# KiCad board MPU_MOD.kicad_pcb (continued)
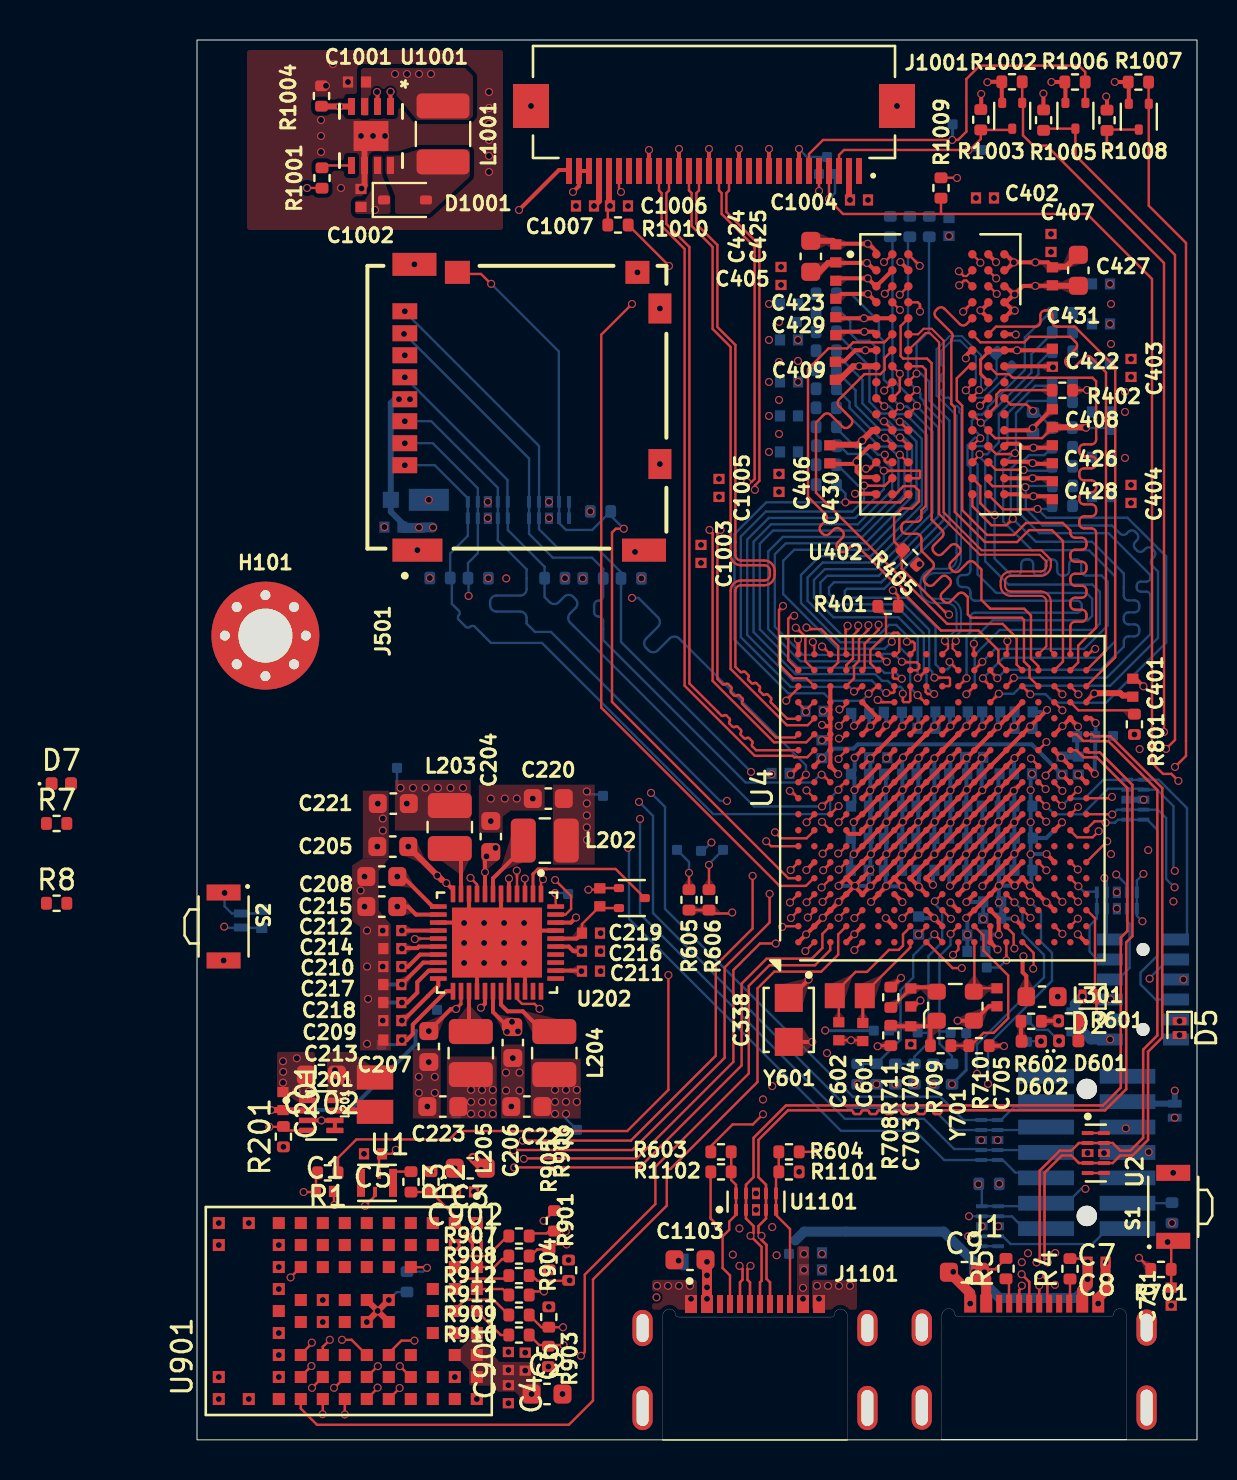
[diagram p0: board, top side]
## Routing (per net, layer and track width the routed paths; a pad name or vN(x,y) marks a point on that pad's centre or on a via; arc(x,y) is an arc through that point) (continued)
DSI_D0_P: length 34.4
  1L.Cu w0.118: U4.B13 30.86,34.49 30.52,34.14 29.86,34.14 29.79,34.21 27.89,34.21 24.38,37.72 24.38,59.56 23.23,60.71 23.23,62.35 23.1,62.48 J1001.21
DSI_D1_N: length 33.7
  1L.Cu w0.118: J1001.17 25.1,62.48 24.97,62.35 24.97,60.81 26.02,59.76 26.02,55.66 26.92,54.76 26.92,44.26 arc(27,44.06) 27.2,43.98 28.36,43.98 arc(28.73,43.83) 28.88,43.46 28.88,43.26 arc(28.73,42.9) 28.36,42.74 27.2,42.74 arc(27,42.66) 26.92,42.46 26.92,38.66 27.17,38.41 arc(27.23,38.39) 27.29,38.41 arc(27.35,38.43) 27.4,38.41 27.57,38.25 arc(27.59,38.19) 27.57,38.13 arc(27.54,38.07) 27.57,38.01 27.73,37.84 arc(27.79,37.82) 27.85,37.84 arc(27.91,37.87) 27.97,37.84 28.13,37.68 arc(28.16,37.62) 28.13,37.56 arc(28.11,37.5) 28.13,37.44 28.3,37.28 arc(28.36,37.25) 28.42,37.28 arc(28.48,37.3) 28.54,37.28 28.7,37.11 arc(28.72,37.06) 28.7,37 arc(28.68,36.94) 28.7,36.88 29.51,36.06 30.04,36.06 U4.A15
DSI_D1_P: length 34.5
  1L.Cu w0.118: U4.B15 30.87,36.08 30.53,35.74 29.5,35.74 26.68,38.56 26.68,42.46 arc(26.83,42.83) 27.2,42.98 28.36,42.98 arc(28.56,43.06) 28.64,43.26 28.64,43.46 arc(28.56,43.66) 28.36,43.74 27.2,43.74 arc(26.83,43.9) 26.68,44.26 26.68,54.66 25.78,55.56 25.78,59.66 24.73,60.71 24.73,62.35 24.6,62.48 J1001.18
ETH1_CRS_DV: length 0.6
  1L.Cu w0.118: v1(42.47,28.49) 42.07,28.89 U4.T6
ETH1_MDC: length 0.5
  1L.Cu w0.118: U4.V2 43.67,25.7 v1(44.04,26.07)
ETH1_REF_CLK: length 0.6
  1L.Cu w0.118: U4.U4 42.89,27.29 v1(43.27,26.91)
  3L.Cu w0.118: v1(43.27,26.91) 43.27,26.87
ETH1_RXD1: length 0.5
  1L.Cu w0.118: v1(44.05,26.92) 43.68,27.29 U4.V4
ETH1_TX_EN: length 0
  1L.Cu w0.118: 43.67,24.85 U4.V1
ETH1_TXD0: length 0.6
  1L.Cu w0.118: U4.U2 42.89,25.69 v1(43.27,25.31)
ETH1_TXD1: length 0.5
  1L.Cu w0.118: U4.T9 42.09,31.29 v1(42.46,30.92)
FDCAN2_RX: length 5.9
  1L.Cu w0.118: v1(44.07,27.69) 43.67,28.09 U4.V5
  8L.Cu w0.118: v1(44.07,27.69) 44.34,27.42 44.96,27.42 U3.1 U3.10 44.99,26.08 44.63,25.72 44.63,24.43 45.03,24.03 J3.10
FDCAN2_TX: length 13.6
  1L.Cu w0.118: v1(41.7,34.08) 42.07,33.71 U4.T12 42.07,33.69
  3L.Cu w0.118: v1(45.37,28.1) 45.36,28.09 41.97,28.09 41.27,28.79 41.27,33.65 v1(41.7,34.08)
  8L.Cu w0.118: J3.12 45.49,25.19 U3.9 U3.2 45.49,27.98 v1(45.37,28.1)
I2C1_SCL: length 54.1
  1L.Cu w0.118: v1(45.51,29.94) 44.47,28.9 U4.W6 ; v1(49.07,32.96) 48.72,33.31 48.3,33.31 47.75,33.86 47.75,58.06 44.5,61.31 37.2,61.31 ; J1001.4 v1(31.6,62.06) 31.6,62.01 32.3,61.31 37.2,61.31 ; 37.2,62.3 37.2,61.31
  3L.Cu w0.118: v1(49.07,32.96) 49.07,32.44 46.57,29.94 v1(45.51,29.94)
  8L.Cu w0.118: v1(31.6,62.06) 31.9,62.36 TP1006.1
I2C1_SDA: length 52
  1L.Cu w0.118: 21.56,60.55 R1010.1 23.53,58.79 23.53,58.78 v1(23.6,58.71) ; U4.B5 30.83,28.09 30.45,27.71 29.13,27.71 20.21,36.63 20.21,55.27 v1(21.75,56.81) ; J1001.5 v1(31.1,62.46)
  3L.Cu w0.118: v1(21.75,56.81) 23.6,58.66 v1(23.6,58.71) 23.65,58.71 27.1,62.16 30.8,62.16 v1(31.1,62.46)
  8L.Cu w0.118: v1(31.1,62.46) TP1004.1
I2S2_CK: length 0.7
  1L.Cu w0.118: 31.64,30.49 U4.C8 31.67,30.49 v1(31.25,30.91)
  3L.Cu w0.118: v1(31.25,30.91) 31.19,30.91
I2S2_SDI: length 0.7
  1L.Cu w0.118: U4.C9 31.67,31.31 ; U4.C9 31.67,31.29 v1(32.08,31.7) ; U4.C9 31.57,31.29
I2S2_WS: length 0.6
  1L.Cu w0.118: v1(32.08,30.89) 32.47,31.28 U4.D9
I2S3_CK: length 42.5
  1L.Cu w0.118: v1(28.46,29.94) 28.71,29.69 U4.A7 ; v1(10.14,3.69) 10.15,3.69 U901.D8
  3L.Cu w0.118: v1(28.46,29.94) 28.04,30.36 25.05,30.36 21.15,26.46 21.15,26.15 20.81,25.81 20.81,16.81 15.68,11.68 15.68,9.99 12.97,7.28 11.73,7.28 8.56,4.11 8.56,3.38 8.79,3.15 9.6,3.15 v1(10.14,3.69)
I2S3_SDI: length 47.7
  1L.Cu w0.118: 30.87,31.31 U4.B9 30.87,31.28 v1(30.48,30.89) ; v1(10.13,2.6) 10.13,2.59 U901.E9
  3L.Cu w0.118: v1(10.13,2.6) 9.64,2.11 8.43,2.11 7.41,3.13 7.41,4.39 7.85,4.83 7.85,5.99 13.22,11.36 14.27,11.36 19.73,16.82 19.73,19.72 18.67,20.78 18.67,25.15 19.5,25.98 19.5,26.41 24.5,31.41 29.96,31.41 v1(30.48,30.89)
I2S3_SDO: length 44.5
  1L.Cu w0.118: 30.83,30.49 U4.B8 30.87,30.48 30.48,30.09 29.2,30.09 v1(28.9,30.39) ; v1(9.03,2.62) 9.03,2.59 U901.F9
  3L.Cu w0.118: v1(28.9,30.39) 28.9,30.41 28.4,30.91 24.9,30.91 20.2,26.21 20.2,26.04 19.7,25.54 19.7,20.78 20.25,20.23 20.25,16.81 15.28,11.84 15.28,10.19 12.89,7.8 11.61,7.8 8.02,4.21 8.02,3.16 8.56,2.62 v1(9.03,2.62)
I2S3_WS: length 40.7
  1L.Cu w0.118: U901.F8 9.03,3.69 v1(9.04,3.69) ; U4.C7 31.65,29.69 v1(31.28,29.32) ; U4.C7 31.67,29.71 ; U4.C7 31.67,29.67
  3L.Cu w0.118: v1(31.28,29.32) 24.92,29.32 21.31,25.71 21.31,16.73 16.18,11.6 16.18,9.69 13.22,6.73 11.98,6.73 9.04,3.79 v1(9.04,3.69)
INTLDO: length 4.1
  1L.Cu w0.118: C219.2 19.25,25.8 R202.1 20.23,26.6 Q201.2
  1L.Cu w0.2: 19.22,25.35 19.22,25.32 18.98,25.07 U202.40
LCD_BL_PWM: length 77.5
  1L.Cu w0.118: U4.V9 43.68,31.29 v1(44.05,31.66) ; v1(5.5,62.61) 6.24,62.61 R1001.2
  3L.Cu w0.15: v1(44.05,31.66) 46.25,31.66 49.05,34.46 49.05,56.11 43.95,61.21 37.85,61.21 35.95,63.11 27,63.11 24.7,60.81 6.9,60.81 5.5,62.21 v1(5.5,62.61)
LCD_RST: length 42.6
  1L.Cu w0.118: R1007.2 47.58,66.83 Q3.1 47.59,61.72 49.45,59.86 49.45,34.21 v1(48.9,33.66) ; v1(45.08,30.44) 44.78,30.14 44,30.14 43.67,30.47 U4.V8
  3L.Cu w0.118: v1(48.9,33.66) 48.5,33.26 48.5,32.43 46.52,30.45 45.09,30.45 v1(45.08,30.44)
LCD_TP_INTR: length 39.9
  1L.Cu w0.118: R1005.1 42.41,65.57 Q2.3 43.92,64.24 48.9,59.26 48.9,35.01 v1(48.45,34.56) ; v1(45.75,32.16) 45.68,32.09 U4.W10
  3L.Cu w0.118: v1(48.45,34.56) 48.4,34.56 46,32.16 v1(45.75,32.16)
LCD_TP_RST: length 42.1
  1L.Cu w0.118: R1002.2 Q1.1 41.3,66.82 41.3,65.24 41.81,64.73 42.48,64.73 48.35,58.86 v1(48.35,35.41) ; v1(44.05,32.51) 43.67,32.13 U4.V10
  3L.Cu w0.118: v1(44.05,32.51) 44.4,32.86 46.05,32.86 48.35,35.16 v1(48.35,35.41)
MOD_ADC9/TIM3_CH3: length 5.9
  1L.Cu w0.118: U4.W3 44.5,26.49 44.9,26.09 44.9,22.25 D2.1 44.97,21.46 v1(45.41,21.02)
NRST: length 29.3
  1L.Cu w0.118: C701.2 48.71,9.86 S1.1 ; v1(38.24,23.6) 37.78,23.6 36.49,24.89 U4.J1
  3L.Cu w0.118: v1(39.07,12.79) 39.07,12.98 38.5,13.55 38.5,23.35 38.25,23.6 v1(38.24,23.6) ; v1(48.53,9.9) 44.39,9.9 43.18,11.11 43.18,11.32 v1(44.42,12.56)
  8L.Cu w0.118: J701.12 42.31,11.69 U703.1 U703.10 39.24,12.62 v1(39.07,12.79) R203.2 ; v1(44.42,12.56) 44.21,12.56 43.61,11.96 43.49,11.96
PMIC_PA0_WKUP_INTR: length 35
  1L.Cu w0.118: v1(17.91,28) 18.7,27.2 18.7,26.55 18.42,26.27 U202.43 ; U4.R3 41.29,26.49 v1(41.67,26.11)
  3L.Cu w0.118: v1(17.91,28) 17.93,27.98
  6L.Cu w0.118: v1(17.91,28) 18.05,28 18.47,27.58 18.47,27.24 17.76,26.53 17.76,23.2 19.05,21.91 32.92,21.91 35.71,24.7 38.81,24.7 39.85,25.74 40.54,25.74 40.75,25.53 41.09,25.53 v1(41.67,26.11)
PMIC_WAKEUP: length 28.7
  1L.Cu w0.118: Q201.1 20.41,27.6 20.33,27.52 v1(19.57,27.52) ; v1(37.7,26.06) 37.27,26.49 U4.K3
  6L.Cu w0.118: v1(19.57,27.52) 19.34,27.52 18.22,26.4 18.22,23.4 19.11,22.51 32.46,22.51 36.44,26.49 37.27,26.49 v1(37.7,26.06)
PWR_ON: length 31.5
  1L.Cu w0.118: v1(37.8,24.26) 38.07,24.53 U4.L1 ; U202.44 17.94,27.32 v1(17.91,27.35)
  1L.Cu w0.15: R708.1 34.06,19.72 v1(34.03,19.69)
  6L.Cu w0.118: v1(17.91,27.35) 17.22,26.67 17.22,23.1 18.89,21.43 34.94,21.43 37.77,24.26 v1(37.8,24.26) ; v1(34.03,19.69) 34,19.72 34,21.43
  8L.Cu w0.118: TP702.1 18.5,27.35 v1(17.91,27.35)
SDMMC1_CK: length 34.3
  1L.Cu w0.118: U4.C10 31.26,31.68 v1(31.25,31.68)
  8L.Cu w0.118: R505.1 17.38,43.66 15.54,45.5 15.54,46.09 15.52,46.11 15.52,48.01 10.4,53.13 10.4,53.15 v1(10.39,53.14) ; R505.1 17.38,42.15 17.64,41.9 arc(17.86,41.81) 18.09,41.9 18.36,42.17 arc(18.58,42.26) 18.81,42.17 18.92,42.06 arc(19.02,41.83) 18.92,41.6 18.65,41.33 arc(18.56,41.11) 18.65,40.88 27.85,31.68 v1(31.25,31.68) ; R505.1 17.43,43.04
  8L.Cu w0.15: 15.53,46.1 15.54,46.09
SDMMC1_CMD: length 35
  1L.Cu w0.118: v1(30.47,32.48) 30.87,32.09
  3L.Cu w0.118: v1(30.47,32.48) 30.47,32.38 30.05,31.96 v1(26.5,31.96)
  8L.Cu w0.118: v1(26.5,31.96) 26.15,31.96 17.7,40.41 16.9,40.41 16.48,40.83 16.48,41.11 arc(16.39,41.34) 16.16,41.43 14.98,41.43 arc(14.75,41.52) 14.66,41.75 14.66,41.91 arc(14.75,42.14) 14.98,42.23 16.16,42.23 arc(16.39,42.32) 16.48,42.55 16.48,43.54 15.04,44.98 U502.4 15.04,47.62 11.72,50.94 v1(10.39,50.94)
SDMMC1_D0: length 35.9
  1L.Cu w0.118: U4.C11 31.66,32.89 31.28,33.27 v1(31.23,33.27)
  8L.Cu w0.118: v1(10.35,55.31) 10.38,55.31 16.6,49.08 16.6,45.31 17.79,44.12 19.75,44.12 20.31,43.56 R506.1 ; R506.1 20.42,42.97 ; R506.1 20.31,42.2 arc(20.24,42.04) 20.08,41.98 arc(19.92,41.91) 19.86,41.75 19.86,41.4 arc(19.92,41.24) 20.08,41.18 arc(20.24,41.11) 20.31,40.95 20.31,40 27.43,32.88 30.77,32.88 31.16,33.27 v1(31.23,33.27)
SDMMC1_D1: length 34.8
  1L.Cu w0.118: U4.A10 29.7,32.46 v1(29.64,32.46)
  3L.Cu w0.118: v1(29.64,32.46) 28.65,32.46 v1(27.7,33.41)
  8L.Cu w0.118: R507.1 21.2,39.91 v1(27.7,33.41) ; R507.1 21.2,42.55 ; R507.1 21.2,43.39 19.95,44.64 18,44.64 17.1,45.54 17.1,49.71 10.39,56.42 v1(10.39,56.44)
  8L.Cu w0.15: 17.09,46.11 17.1,46.09
SDMMC1_D2: length 35.1
  1L.Cu w0.118: v1(32.07,32.51) 32.07,32.57 32.4,32.89 U4.D11 32.46,32.89
  8L.Cu w0.118: v1(32.07,32.51) 31.66,32.1 31.66,31.39 31.57,31.3 25.81,31.3 17.25,39.86 14.7,39.86 13.89,40.67 arc(13.78,40.72) 13.66,40.67 arc(13.55,40.62) 13.43,40.67 13.09,41.01 arc(13.04,41.13) 13.09,41.24 arc(13.14,41.36) 13.09,41.47 12.74,41.82 12.74,43.02 R502.1 12.66,44.33 13.54,45.21 U502.1 13.54,47.09 11.89,48.74 v1(10.39,48.74)
SDMMC1_D3: length 34
  1L.Cu w0.118: U4.A11 30.45,33.27 v1(30.45,33.27)
  3L.Cu w0.118: v1(13.58,42.21) 13.68,42.11 v1(21.75,42.11)
  8L.Cu w0.118: v1(10.39,49.84) 11.79,49.84 14.04,47.59 U502.2 14.04,44.34 13.55,43.85 R503.1 13.58,43.06 v1(13.58,42.21) ; v1(30.45,33.27) 30.45,33.73 24.1,40.08 arc(23.87,40.18) 23.63,40.08 23.04,39.49 arc(22.81,39.39) 22.57,39.49 22.46,39.61 arc(22.36,39.84) 22.46,40.08 23.05,40.67 arc(23.14,40.9) 23.05,41.14 22.08,42.11 v1(21.75,42.11)
SDMMC3_CK: length 32.2
  1L.Cu w0.118: R911.1 16.79,7.43 v1(17.35,7.43) ; 30.07,25.69 U4.A2 29.29,25.69 v1(29.26,25.66)
  3L.Cu w0.118: v1(29.26,25.66) 29.25,25.67 27.71,25.67 27.23,25.19 arc(27.16,25.02) 27.23,24.85 27.63,24.45 arc(27.7,24.28) 27.63,24.11 27.54,24.03 arc(27.37,23.96) 27.2,24.03 26.81,24.43 arc(26.64,24.5) 26.47,24.43 26.38,24.34 arc(26.31,24.17) 26.38,24 26.78,23.61 arc(26.85,23.44) 26.78,23.27 26.69,23.18 arc(26.52,23.11) 26.35,23.18 25.96,23.58 arc(25.79,23.65) 25.62,23.58 25.53,23.49 arc(25.46,23.32) 25.53,23.15 25.93,22.76 arc(26,22.59) 25.93,22.42 25.84,22.33 arc(25.68,22.26) 25.51,22.33 25.11,22.73 arc(24.94,22.8) 24.77,22.73 24.38,22.34 24.38,19.11 25.04,18.45 25.04,14.33 19.3,8.59 19.3,7.89 18.84,7.43 v1(17.35,7.43)
SDMMC3_CMD: length 34.2
  1L.Cu w0.118: R912.1 16.76,8.22 17.02,7.96 18.56,7.96 R901.1 v1(18.63,7.98) ; U4.A3 30.07,26.48 v1(29.69,26.1)
  3L.Cu w0.118: v1(18.63,7.98) 18.95,8.3 18.95,8.98 23.62,13.65 23.62,14.61 arc(23.69,14.78) 23.86,14.85 24.26,14.85 arc(24.43,14.92) 24.5,15.09 24.5,15.21 arc(24.43,15.38) 24.26,15.45 23.86,15.45 arc(23.69,15.52) 23.62,15.69 23.62,15.81 arc(23.69,15.98) 23.86,16.05 24.26,16.05 arc(24.43,16.12) 24.5,16.29 24.5,16.41 arc(24.43,16.58) 24.26,16.65 23.86,16.65 arc(23.69,16.72) 23.62,16.89 23.62,17.01 arc(23.69,17.18) 23.86,17.25 24.26,17.25 arc(24.43,17.32) 24.5,17.49 24.5,17.61 arc(24.43,17.78) 24.26,17.85 23.86,17.85 arc(23.69,17.92) 23.62,18.09 23.62,22.47 24.36,23.21 arc(24.44,23.39) 24.36,23.57 24.17,23.76 arc(24.1,23.93) 24.17,24.11 24.26,24.2 arc(24.44,24.27) 24.62,24.2 24.81,24.01 arc(24.98,23.94) 25.16,24.01 25.25,24.1 arc(25.33,24.28) 25.25,24.46 25.06,24.65 arc(24.99,24.82) 25.06,25 25.15,25.09 arc(25.33,25.17) 25.51,25.09 25.7,24.9 arc(25.88,24.83) 26.05,24.9 26.14,24.99 arc(26.22,25.17) 26.14,25.35 25.96,25.54 arc(25.88,25.72) 25.96,25.89 26.04,25.98 arc(26.22,26.06) 26.4,25.98 26.59,25.79 arc(26.77,25.72) 26.94,25.79 27.25,26.1 v1(29.69,26.1)
SDMMC3_D0: length 32.3
  1L.Cu w0.118: R907.1 16.74,10.33 17.48,10.33 17.59,10.44 18.43,10.44 v1(18.44,10.43) ; U4.A4 30.06,27.29 v1(29.65,26.88)
  3L.Cu w0.118: v1(29.65,26.88) 25.9,26.88 22.95,23.93 22.95,15.17 22.72,14.94 arc(22.65,14.77) 22.72,14.6 22.99,14.33 arc(23.06,14.16) 22.99,13.99 22.9,13.91 arc(22.73,13.84) 22.56,13.91 22.3,14.18 arc(22.13,14.25) 21.96,14.18 21.87,14.09 arc(21.8,13.92) 21.87,13.75 22.14,13.49 arc(22.21,13.32) 22.14,13.15 22.05,13.06 arc(21.88,12.99) 21.71,13.06 21.45,13.33 arc(21.28,13.4) 21.11,13.33 21.02,13.24 arc(20.95,13.07) 21.02,12.9 21.29,12.64 arc(21.36,12.47) 21.29,12.3 21.2,12.21 arc(21.03,12.14) 20.87,12.21 20.6,12.48 arc(20.43,12.55) 20.26,12.48 20.17,12.39 arc(20.1,12.22) 20.17,12.05 20.44,11.79 arc(20.51,11.62) 20.44,11.45 20.36,11.36 arc(20.19,11.29) 20.02,11.36 19.75,11.63 arc(19.58,11.7) 19.41,11.63 19.33,11.55 arc(19.26,11.38) 19.33,11.21 19.59,10.94 arc(19.66,10.77) 19.59,10.6 19.51,10.52 arc(19.34,10.45) 19.17,10.52 18.9,10.78 arc(18.73,10.85) 18.56,10.78 18.44,10.66 v1(18.44,10.43)
SDMMC3_D1: length 33.4
  1L.Cu w0.118: v1(18.48,9.78) 17.85,9.78 R905.1 17.01,9.53 16.68,9.2 R908.1 ; 32.46,28.89 U4.D6 32.46,28.89 v1(32.09,28.52)
  3L.Cu w0.118: v1(18.48,9.78) 17.98,10.27 17.98,11.09 18.38,11.48 18.52,11.48 19.77,12.74 arc(19.84,12.91) 19.77,13.08 19.64,13.22 arc(19.57,13.39) 19.64,13.56 19.72,13.64 arc(19.89,13.71) 20.06,13.64 20.2,13.51 arc(20.37,13.44) 20.54,13.51 20.62,13.59 arc(20.69,13.76) 20.62,13.93 20.48,14.07 arc(20.41,14.24) 20.48,14.41 20.57,14.49 arc(20.74,14.56) 20.91,14.49 21.05,14.36 arc(21.22,14.29) 21.39,14.36 21.47,14.44 arc(21.54,14.61) 21.47,14.78 21.33,14.92 arc(21.26,15.09) 21.33,15.26 21.42,15.34 arc(21.59,15.41) 21.76,15.34 21.89,15.2 arc(22.06,15.13) 22.23,15.2 22.38,15.35 22.38,24.11 26.04,27.77 29,27.77 29.29,28.06 31.63,28.06 v1(32.09,28.52)
SDMMC3_D2: length 36.4
  1L.Cu w0.118: R909.1 17.22,5.64 R904.1 v1(18.3,5.64) ; 32.38,29.69 U4.D7 32.47,29.69 32.1,29.33 v1(32.06,29.33)
  3L.Cu w0.118: v1(32.06,29.33) 31.65,28.92 26.47,28.92 21.88,24.33 21.88,16.54 16.79,11.45 16.79,6.88 18.03,5.64 v1(18.3,5.64)
SDMMC3_D3: length 32.1
  1L.Cu w0.118: R910.1 17.11,4.75 v1(18.33,4.75) ; 30.87,27.28 v1(30.48,26.89)
  3L.Cu w0.118: v1(18.33,4.75) 18.96,5.38 18.96,6.87 19.94,7.85 19.94,8.4 25.65,14.11 25.65,19.17 arc(25.58,19.34) 25.41,19.41 25.2,19.41 arc(25.03,19.48) 24.96,19.65 24.96,19.77 arc(25.03,19.94) 25.2,20.01 25.41,20.01 arc(25.58,20.08) 25.65,20.25 25.65,20.37 arc(25.58,20.54) 25.41,20.61 25.2,20.61 arc(25.03,20.68) 24.96,20.85 24.96,20.97 arc(25.03,21.14) 25.2,21.21 25.41,21.21 arc(25.58,21.28) 25.65,21.45 25.65,21.47 28.39,24.21 28.39,24.96 28.66,25.23 29.5,25.23 30.11,25.84 30.11,26.52 v1(30.48,26.89)
SPI5_MISO: length 15
  1L.Cu w0.118: U4.U10 42.88,32.09 v1(43.25,31.72)
  3L.Cu w0.118: v1(43.25,31.72) 43.26,31.73
  8L.Cu w0.118: J3.11 49.37,25.03 49.5,25.16 49.5,31.6 48.08,33.02 U5.1 47.32,33.01 45.31,33.01 44.37,32.07 43.6,32.07 v1(43.25,31.72)
SPI5_MOSI: length 12.8
  1L.Cu w0.118: v1(45.76,31.28) 45.75,31.29 U4.W9
  3L.Cu w0.118: 48.99,27.64 v1(48.88,27.64) 49.32,27.2 v1(49.32,23.03)
  8L.Cu w0.118: v1(48.88,27.64) 48.87,27.64 48.46,28.05 48.46,31.1 48.04,31.52 U5.4 U5.7 46,31.52 v1(45.76,31.28)
SPI5_SCK: length 14.6
  1L.Cu w0.118: v1(45.43,30.87) 45.36,30.94 44.88,30.94 44.47,30.53 U4.W8
  8L.Cu w0.118: 48.55,22.03 J3.5 47.93,22.03 47.18,22.78 47.18,23.38 48.01,24.21 48.01,30.52 47.51,31.02 U5.5 46.05,31.02 45.9,30.87 v1(45.43,30.87)
SYS_I2C4_SCL: length 33
  1L.Cu w0.118: R605.1 24.6,27.52 v1(24.6,28.36) ; 42.87,32.88 U4.U11 42.87,32.86 v1(43.27,32.46) ; U202.4 16,28.46 v1(15.99,28.47)
  3L.Cu w0.118: 43.25,32.46 v1(43.27,32.46)
  6L.Cu w0.118: 43.25,32.46 42.95,32.16 42.2,32.16 41.95,31.91 33.17,31.91 32.57,31.31 28.77,31.31 25.82,28.36 v1(24.6,28.36) 18.65,28.36 18.53,28.47 v1(15.99,28.47)
  8L.Cu w0.118: v1(24.6,28.36) 24.6,28.91 TP603.1
SYS_I2C4_SDA: length 36.1
  1L.Cu w0.118: v1(42.43,33.22) 42.46,33.26 42.46,33.29 42.86,33.69 U4.U12 ; v1(16.39,28.07) 16.4,28.06 U202.3 ; 25.58,28.63 25.6,28.61 25.6,27.52 R606.1
  3L.Cu w0.118: 42.36,33.22 v1(42.43,33.22) 42.48,33.22
  6L.Cu w0.118: v1(16.39,28.07) 15.83,27.51 15.2,27.51 14.9,27.81 14.9,28.51 15.35,28.96 18.8,28.96 19,28.76 v1(25.6,28.76) 28.72,31.87 30.52,31.87 31.55,32.91 32.45,32.91 32.65,33.11 41.25,33.11 41.45,32.91 42.05,32.91 42.36,33.22
  8L.Cu w0.118: 25.58,28.63 25.58,28.78 TP604.1
SYS_I2C6_SCL: length 18.6
  1L.Cu w0.118: v1(44.07,37.29) 43.67,37.69 U4.V17
  3L.Cu w0.118: v1(47.27,25.94) 45.67,24.34 45.67,22.05 v1(45.66,22.04)
  6L.Cu w0.118: v1(47.32,28.31) 46.82,28.81 46.82,33.35 46.09,34.08 46.09,36.11 45.36,36.84 44.57,36.84 44.12,37.29 v1(44.07,37.29)
  8L.Cu w0.118: v1(47.32,28.31) 46.99,27.98 U3.5 U3.6 46.99,26.22 v1(47.27,25.94)
SYS_I2C6_SDA: length 17.5
  1L.Cu w0.118: U4.U16 42.87,36.89 v1(43.27,36.49)
  6L.Cu w0.118: v1(45.96,28.28) 46.32,28.64 46.32,33.1 45.64,33.78 45.64,36.05 45.2,36.49 v1(43.27,36.49)
  8L.Cu w0.118: v1(45.96,28.28) 46.49,27.75 U3.4 46.5,27.38 46.5,25.95 46.63,25.82 46.63,23.61 46.05,23.03 J3.8
UART4_RX_STM: length 38
  1L.Cu w0.118: v1(42.47,34.9) 42.47,34.9 U4.T13
  3L.Cu w0.118: v1(47.13,34.55) 46.26,34.55 45.91,34.9 v1(42.47,34.9) ; v1(38.6,11.19) 40.47,11.19 42.27,12.98 42.27,13.98 44.58,16.3 45.58,16.3 48.11,18.83 48.11,28.3 47.56,28.85 v1(47.56,29.5)
  6L.Cu w0.118: v1(47.13,34.55) 47.13,33.92 47.84,33.21 47.84,29.78 v1(47.56,29.5)
  8L.Cu w0.118: 41.36,10.57 40.75,11.18 40.07,11.18 U703.2 U703.9 v1(38.6,11.19)
UART4_TX_STM: length 39.5
  1L.Cu w0.118: 43.65,28.89 U4.V6 43.68,28.89 v1(44.04,28.53)
  3L.Cu w0.118: v1(38.56,10.19) 38.59,10.22 40.53,10.22 42.75,12.44 42.75,13.74 44.94,15.92 46.23,15.92 48.43,18.12 48.43,29.54 47.93,30.04 47.09,30.04 45.58,28.53 v1(44.04,28.53)
  8L.Cu w0.118: v1(38.56,10.19) U703.7 U703.4 40.29,10.19 40.68,9.8 44.77,9.8 45.54,10.57 J701.13
UART7_RX_STM: length 19.3
  1L.Cu w0.118: U4.T10 42.07,32.09 v1(42.46,31.7)
  6L.Cu w0.118: v1(48.89,28.46) 48.95,28.46 49.3,28.11 49.3,24.74 v1(47.63,23.07)
  8L.Cu w0.118: v1(47.63,23.07) 47.63,23.1 48.56,24.03 J3.9 ; v1(48.89,28.46) 48.82,28.53 48.82,31.7 48,32.52 U5.2 47.28,32.57 45.55,32.57 44.27,31.29 42.87,31.29 v1(42.46,31.7)
UART7_TX_STM: length 19.1
  1L.Cu w0.118: v1(42.43,32.55) 42.09,32.89 U4.T11
  3L.Cu w0.118: v1(45.7,29.3) 43.45,29.3 42.75,30 42.75,30.06 42.09,30.72 42.09,32.21 v1(42.43,32.55) ; v1(48.82,26.93) 48.82,21.26 v1(49.13,20.95)
  6L.Cu w0.118: v1(45.7,29.3) 44.83,28.43 44.83,27.69 45.54,26.98 48.77,26.98 v1(48.82,26.93)
UART8_CTS_STM: length 44.9
  1L.Cu w0.118: v1(32.87,24.5) 33.26,24.89 U4.E1 33.27,24.88 ; U901.H8 v1(5.75,2.61)
  3L.Cu w0.118: 5.72,2.58 v1(5.75,2.61) ; v1(28.76,17.7) 28.76,18.65 32.87,22.76 v1(32.87,24.5)
  6L.Cu w0.118: v1(5.75,2.61) 6.48,1.88 12.54,1.88 13.19,1.23 19.83,1.23 20.8,2.2 20.8,7.67 29.03,15.9 29.03,17.43 v1(28.76,17.7)
UART8_RTS_STM: length 45.2
  1L.Cu w0.118: U901.H9 6.29,1.3 v1(6.28,1.29) ; v1(32.08,26.11) 32.46,26.49 U4.D3
  3L.Cu w0.118: v1(32.08,26.11) 32.08,22.88 27.58,18.38 27.58,13.33 21.28,7.03 21.28,2.96 18.87,0.55 7.02,0.55 v1(6.28,1.29)
UART8_RX_STM: length 43.8
  1L.Cu w0.118: v1(31.28,26.91) 31.66,27.29 U4.C4 31.6,27.29 ; U901.G9 v1(7.39,1.28)
  3L.Cu w0.118: v1(31.28,26.91) 31.66,26.53 31.66,23.3 27.11,18.75 27.11,13.6 20.74,7.23 20.74,3.47 18.48,1.21 7.46,1.21 v1(7.39,1.28)
UART8_TX_STM: length 40.9
  1L.Cu w0.118: v1(30.42,24.45) 30.86,24.89 U4.B1 30.84,24.89 ; U901.G8 7.39,3.13 6.87,2.61 v1(6.85,2.61)
  3L.Cu w0.118: v1(30.42,24.45) 30.39,24.45 26.57,20.63 26.57,13.74 20.24,7.41 20.24,4.4 18.8,2.96 16.64,2.96 15.97,2.29 14.55,2.29 14.27,2.57 11.46,2.57 10.55,1.66 7.8,1.66 v1(6.85,2.61)
USB_CC1: length 7.9
  1L.Cu w0.118: R603.2 R1102.2 26.71,13 26.95,12.76 U1101.10 U1101.1 26.95,11.26 26.61,10.92 26.61,10.51 26.28,10.18 26.28,8.6 26.65,8.23 26.65,7.06
USB_CC2: length 7.7
  1L.Cu w0.118: 29.65,7.06 29.65,10.55 29,11.2 29,11.46 U1101.5 U1101.6 28.95,13.27 R1101.2 R604.2
USB_D+: length 51.2
  1L.Cu w0.125: 27.65,7.06 27.65,7.89 27.52,8.01 27.52,8.56 v1(27.67,8.71) ; 28.65,7.06 28.65,7.89 28.47,8.06 28.47,9.76 28.22,10.01 v1(28.22,10.21) 28.07,10.36 28.07,10.7 28.45,11.07 U1101.4 U1101.7 28.45,12.77 28.07,13.14 28.07,15.01 29.55,16.49 32.71,16.49 arc(32.78,16.46) 32.81,16.39 arc(32.84,16.33) 32.9,16.3 33.11,16.3 arc(33.18,16.33) 33.21,16.39 arc(33.24,16.46) 33.3,16.49 33.51,16.49 arc(33.58,16.46) 33.61,16.39 arc(33.64,16.33) 33.7,16.3 33.91,16.3 arc(33.98,16.33) 34.01,16.39 arc(34.04,16.46) 34.1,16.49 34.31,16.49 arc(34.38,16.46) 34.41,16.39 arc(34.44,16.33) 34.5,16.3 34.71,16.3 arc(34.78,16.33) 34.81,16.39 arc(34.84,16.46) 34.9,16.49 35.11,16.49 arc(35.18,16.46) 35.21,16.39 arc(35.24,16.33) 35.3,16.3 35.51,16.3 arc(35.58,16.33) 35.61,16.39 arc(35.64,16.46) 35.7,16.49 35.91,16.49 arc(35.98,16.46) 36.01,16.39 arc(36.04,16.33) 36.1,16.3 36.31,16.3 arc(36.38,16.33) 36.41,16.39 arc(36.44,16.46) 36.5,16.49 36.71,16.49 arc(36.78,16.46) 36.81,16.39 arc(36.84,16.33) 36.9,16.3 37.11,16.3 arc(37.18,16.33) 37.21,16.39 arc(37.24,16.46) 37.3,16.49 45.4,16.49 46.46,17.55 46.46,24.89 46.77,25.2 46.77,32.76 45.15,34.38 44.58,34.38 U4.W13
  3L.Cu w0.125: v1(28.22,10.21) 27.52,9.51 27.52,8.86 v1(27.67,8.71)
USB_D-: length 50.3
  1L.Cu w0.125: 28.15,7.06 28.15,7.89 28.23,7.96 28.23,9.66 v1(27.67,10.21) 27.83,10.36 27.83,10.7 27.45,11.07 U1101.2 U1101.9 27.45,12.77 27.83,13.14 27.83,15.11 29.45,16.73 45.3,16.73 46.19,17.62 46.19,25.12 46.52,25.45 46.52,32.6 44.98,34.14 44.33,34.14 43.98,34.49 U4.V13 ; v1(27.12,8.71) 27.28,8.56 27.28,8.01 27.15,7.89 27.15,7.06
  3L.Cu w0.125: v1(27.12,8.71) 27.28,8.86 27.28,9.61 27.67,10.01 v1(27.67,10.21)
USB_M_CC1: length 1.3
  1L.Cu w0.118: R5.1 40.6,7.91 40.6,6.83 J1.A5
USB_M_CC2: length 1.2
  1L.Cu w0.118: J1.B5 43.65,6.86 R4.1
USB_M_D+: length 39.1
  1L.Cu w0.125: J1.A6 41.61,7.91 v1(41.23,8.29) ; U4.V14 43.98,35.29 44.31,34.96 44.67,34.96 44.68,34.95 45.57,34.95 48.02,32.5 48.02,20.23 47.31,19.52 47.31,15.11 46.67,14.47 46.16,14.47 45.79,14.85 U2.9 U2.2 44.09,14.85 43.72,14.47 43.14,14.47 42.13,13.47 42.13,9.03 v1(41.98,8.88) ; J1.B6 42.52,6.91 42.52,7.97 42.25,8.24 v1(42.12,8.24)
  3L.Cu w0.125: v1(41.98,8.88) 42.12,8.74 v1(42.12,8.24) 41.94,8.06 41.46,8.06 v1(41.23,8.29)
USB_M_D-: length 37.7
  1L.Cu w0.125: v1(42.53,8.88) 42.38,9.03 42.38,13.36 43.24,14.23 43.72,14.23 44.09,13.85 U2.4 U2.7 45.79,13.85 46.16,14.23 46.77,14.23 47.55,15.01 47.55,19.42 48.26,20.13 48.26,32.6 45.67,35.19 44.86,35.19 44.76,35.29 U4.W14 ; J1.A7 v1(42.11,7.72) ; J1.B7 41.11,7.5 41.24,7.62 41.24,7.72 v1(41.24,7.72)
  3L.Cu w0.125: v1(41.24,7.72) 41.35,7.83 42,7.83 v1(42.11,7.72) 42.15,7.72 42.5,8.07 42.5,8.85 v1(42.53,8.88)
uSD_DETECT: length 41.6
  1L.Cu w0.118: J501.SW 13.1,58.31 14.2,58.31 14.69,57.82 v1(14.71,57.82) ; v1(21.34,45.57) 20.94,45.57 20.75,45.38 20.75,36.91 29.57,28.09 U4.A5
  8L.Cu w0.118: R501.1 20.67,46.43 ; R501.1 19.76,45.51 18.45,45.51 18.1,45.86 18.1,46.09 ; R501.1 20.69,46.22 v1(21.34,45.57) ; 18.1,46.18 U501.4 18.09,46.93 18.09,54.43 v1(14.71,57.82)
VREF_DDR: length 80.5
  1L.Cu w0.118: U402.M8 39.57,50.44 39.91,50.1 42.25,50.1 42.77,50.61
  1L.Cu w0.2: U4.W16 44.47,36.94 v1(44.86,37.33) 44.87,37.32 ; v1(10.25,25.47) U202.16 ; v1(33.11,53.69) 33.11,53.61
  1L.Cu w0.3: 32,52.99 32.1,52.99 32.8,53.69 v1(33.11,53.69) U402.H1 ; C401.2 46.73,37.23 46.28,37.23 46.16,37.35 44.88,37.35 v1(44.86,37.33) ; C408.1 44.43,50.64 v1(44.45,50.62)
  5L.Cu w0.5: 42.16,44.89 31.37,44.89 20.35,33.87 14.96,33.87 13.97,32.88 13.97,31.88 11.25,29.16 11.25,26.48 v1(10.25,25.47) ; 42.16,44.89 42.16,40.43 44.86,37.73 v1(44.86,37.33) ; 42.16,44.89 44.45,47.18 v1(44.45,50.62) ; v1(33.11,53.69) 31.55,52.13 31.55,44.89
  8L.Cu w0.118: 45.9,50.51 45.8,50.61 44.46,50.61 v1(44.45,50.62)
VTT_DDR: length 43.5
  1L.Cu w0.2: U202.14 10.94,26.27 10.55,26.67 v1(10.02,26.67) 10.02,26.47
  5L.Cu w0.5: v1(10.02,26.67) 9.22,27.47 9.22,28.33 8.27,29.28 8.27,32.43 10.86,35.02 19.55,35.02 30.1,45.57 30.1,52.86 v1(30.05,52.91)
  vias: v1(30.05,55.01) v1(30.05,53.96)
WIFI_PDn: length 33.8
  1L.Cu w0.118: v1(23.57,23.25) 23.57,17.51 21.51,15.45 13.03,15.45 12.61,15.03 7.97,15.03 7.05,14.11 R1.1 ; v1(29.68,28.5) 30.07,28.89 U4.A6
  6L.Cu w0.118: v1(29.68,28.5) 29.09,27.91 29.09,26.95 25.39,23.25 v1(23.57,23.25)
WLAN_DEV_WAKE: length 46.3
  1L.Cu w0.118: 5.19,3.13 U901.J8 5.19,3.17 v1(5.72,3.7) ; v1(16.29,14.97) 21.69,14.97 25.94,19.22 25.94,23.74 27.78,25.58 v1(27.78,28.21)
  1L.Cu w0.144: v1(31.31,28.49) 31.67,28.85 U4.C6 31.63,28.89
  3L.Cu w0.118: v1(5.72,3.7) 5.72,4.12 5.25,4.59 5.25,9.21 11.69,15.65 15.61,15.65 v1(16.29,14.97)
  6L.Cu w0.118: v1(27.78,28.21) 28.57,28.21 29.32,28.96 30.84,28.96 v1(31.31,28.49)
WLAN_RESET: length 39
  1L.Cu w0.118: U901.H7 6.29,4.66 v1(6.64,5.01) ; v1(28.94,24.83) 28.15,24.83 26.82,23.5 26.82,18.91 21.99,14.08 16.36,14.08 v1(16.34,14.06) ; v1(30.54,26.13) 30.87,26.46 U4.B3 30.87,26.5
  3L.Cu w0.118: v1(30.54,26.13) 31,25.67 31,25.1 30.73,24.83 v1(28.94,24.83) ; v1(6.64,5.01) 6.71,5.08 6.71,6.8 13.04,13.13 14.72,13.13 15.65,14.06 v1(16.34,14.06)
WLAN_WAKE_HOST: length 38
  1L.Cu w0.118: v1(15.86,13.63) 22.13,13.63 27.23,18.73 27.23,22.82 28.48,24.07 30.74,24.07 31.27,24.6 31.27,25.31 31.65,25.69 U4.C2 ; U901.F7 7.73,5.01 v1(7.25,5.01)
  3L.Cu w0.118: v1(7.25,5.01) 7.25,6.13 12.91,11.79 14.02,11.79 v1(15.86,13.63)
Net-(D601-A): length 1
  1L.Cu w0.2: R601.1 44.1,19.99
Net-(D601-K): length 7.8
  1L.Cu w0.118: U4.R1 41.3,24.89 41.83,24.36 41.83,23.59 v1(41.81,23.57)
  3L.Cu w0.118: v1(43.1,19.96) 41.81,21.25 v1(41.81,23.57)
  8L.Cu w0.118: TP601.1 42,20.51 42.55,20.51 v1(43.1,19.96)
Net-(D602-A): length 1
  1L.Cu w0.118: 41.2,19.97 D602.2
  1L.Cu w0.2: R602.1 41.2,19.97
Net-(D602-K): length 7.2
  1L.Cu w0.118: v1(40.87,24.58) 40.83,24.62 40.83,25.29 40.47,25.65 U4.P2
  3L.Cu w0.118: v1(40.87,24.58) 40.93,24.52 40.93,21.21 v1(42.2,19.94)
  8L.Cu w0.118: v1(42.2,19.94) 41.53,19.94 TP602.1
Net-(J501-VDD): length 7.5
  8L.Cu w0.2: 9.73,46.97 D501.1
  8L.Cu w0.3: v1(10.65,52.04) v1(10.1,52.04) 9.89,52.04 9.69,51.85 D501.1 9.69,46.42 10.27,45.84 C501.2
Net-(J701-Pad11): length 2.3
  8L.Cu w0.118: J701.11 48.72,11.84 R712.2 ; 47.66,11.81 47.64,11.81
Net-(Q201-D): length 7.3
  1L.Cu w0.118: 17.5,28.55 20.93,28.55 Q201.3
  1L.Cu w0.15: 17.5,28.55 17.06,28.55 16.81,28.3 16.8,28.3 U202.2
Net-(U1-CLK_OUT): length 1.4
  1L.Cu w0.118: U1.3 9.8,13.31 9.91,13.42 R3.1
Net-(U4A-VBAT): length 7.9
  1L.Cu w0.118: v1(35.26,26.09) 35.66,26.49 U4.H3
  1L.Cu w0.2: v1(30.58,23.03) 29.66,22.11 C338.1
  3L.Cu w0.2: v1(30.58,23.03) 30.59,23.02
  6L.Cu w0.2: 30.59,23.02 32.21,23.02 35.26,26.07 v1(35.26,26.09)
Net-(U4A-VDD1V2_DSI_PHY): length 1.3
  1L.Cu w0.118: U4.A16 30.07,36.85 30.45,36.46 v1(30.45,36.41) 30.45,36.5 30.84,36.89 U4.B16
Net-(U4A-VDDA1V1_REG): length 0.6
  1L.Cu w0.2: v1(44.06,33.27) 44.44,32.89 U4.W11
Net-(U4A-VDDA1V8_DSI): length 14
  1L.Cu w0.2: U4.B12 30.87,33.71 v1(31.25,34.09) ; U4.V11 43.63,32.89 v1(43.25,33.27)
  8L.Cu w0.2: v1(43.25,33.27) 41.74,34.78 33.04,34.78 32.83,34.57 31.73,34.57 v1(31.25,34.09)
Net-(U4A-VREF+): length 2.9
  1L.Cu w0.2: U4.N3 39.67,26.49 40.09,26.07 v1(40.09,25.27)
  8L.Cu w0.2: 39.41,25.27 39.42,25.26 39.42,24.46 ; v1(40.09,25.27) 39.44,25.27
Net-(U4B-DDR_ZQ): length 3.9
  1L.Cu w0.118: U4.F18 34.02,38.49 33.67,38.84 33.67,39.5 34.45,40.28 34.45,41.28 R401.1
Net-(U4C-PA4): length 36
  1L.Cu w0.118: v1(41.67,26.91) 41.29,27.29 U4.R4 ; 25.67,14.42 R603.1 25.7,14.42 25.7,14.7 26.78,15.78 27.79,15.78 v1(28.3,16.29)
  3L.Cu w0.118: v1(28.3,16.29) 28.3,16.01 32.6,11.71 40.3,11.71 40.9,12.31 40.9,15.61 39.55,16.96 v1(39.55,17.81)
  8L.Cu w0.118: v1(39.55,17.81) 39.55,19.76 42.75,22.96 42.75,24.36 42.2,24.91 42.2,26.38 v1(41.67,26.91)
Net-(U4C-PA5): length 29
  1L.Cu w0.118: 30.14,14.38 R604.1 v1(30.9,14.41) ; v1(40.88,26.88) 40.47,27.29 U4.P4
  3L.Cu w0.118: v1(30.9,14.41) 33.2,12.11 40.1,12.11 40.5,12.51 40.5,15.41 39,16.91 v1(39,18.31)
  8L.Cu w0.118: v1(40.88,26.88) 41.28,26.48 41.28,25.33 42.35,24.26 42.35,23.13 39,19.78 39,18.38
Net-(U4C-PC14): length 5
  1L.Cu w0.118: U4.H1 35.67,24.64 33.39,22.36 Y601.2
  1L.Cu w0.15: Y601.2 33.29,22.12 C601.2
Net-(U4C-PC15): length 7.1
  1L.Cu w0.118: U4.H2 35.67,25.66 35.3,25.29 35.3,24.72 35.09,24.51 34.6,24.51 33.5,23.41 32.93,23.41 31.89,22.37 Y601.1 32.09,22.02 C602.1
Net-(U4E-BOOT0): length 9.8
  1L.Cu w0.118: U4.K1 37.27,24.89 v1(36.87,25.29)
  8L.Cu w0.118: v1(36.87,25.29) 35.81,24.23 35.81,23.13 35.18,22.5 35.18,20.45 ; 35.18,20.45 34.63,20.45 TP706.1 ; 35.18,20.45 35.18,20.02 R707.2 R702.1
Net-(U4E-BOOT1): length 10.9
  1L.Cu w0.118: v1(36.89,26.94) 37.24,27.29 U4.K4
  8L.Cu w0.118: 36.57,20.36 36.57,19.87 35.87,19.17 R706.1 R703.1 ; 36.57,20.36 36.05,20.36 TP705.1 ; 36.57,20.36 36.57,24.2 37.26,24.89 37.26,26.43 36.89,26.8 v1(36.89,26.94)
Net-(U4E-BOOT2): length 9.1
  1L.Cu w0.118: U4.L2 38.06,25.69 v1(37.68,25.31)
  8L.Cu w0.118: TP703.1 37.61,20.43 37.12,20.43 ; 37.12,20.43 37.12,19.82 37.75,19.19 R705.2 R704.1 ; 37.12,20.43 37.12,24.19 37.68,24.75 v1(37.68,25.31)
Net-(U4E-NRST_CORE): length 0.6
  1L.Cu w0.118: U4.J2 36.47,25.67 v1(36.08,25.28)
Net-(U4E-PWR_LP): length 2
  1L.Cu w0.118: U4.P1 40.47,24.25 40.47,24.25 v1(40.47,23.99)
  8L.Cu w0.118: TP704.1 40.1,23.63 40.46,23.99 v1(40.47,23.99)
Net-(U4F-USB_RREF): length 3.4
  1L.Cu w0.118: 46.87,36.49 44.07,36.49 U4.V16
Net-(U201-SW): length 2
  1L.Cu w0.3: U201.7 8.83,16.48 L201.1
Net-(U202-VLX1): length 3.7
  1L.Cu w0.2: 16.59,30.07 16.59,29.67 ; U202.7 14.8,28.08 16.31,29.6 L202.1
Net-(U202-VLX2): length 2.9
  1L.Cu w0.2: 12.89,29.67 13.2,29.36 ; L203.1 13.2,29.01 U202.11
Net-(U202-VLX3): length 4.2
  1L.Cu w0.2: L204.1 17.97,20.31 17.42,20.31 16.3,21.43 15.53,21.43 15.2,21.76 U202.29
Net-(U202-VLX4): length 2.1
  1L.Cu w0.15: 13.6,20.51 L205.1
  1L.Cu w0.2: U202.25 13.6,20.51
Net-(U202-~{PONKEY}): length 14.6
  1L.Cu w0.118: U202.17 10.92,25.07 v1(10.89,25.05)
  1L.Cu w0.15: v1(10.89,25.05) 10.86,25.07
  3L.Cu w0.118: v1(10.89,25.05) 3.41,25.05 1.38,27.07 v1(1.38,27.36)
  8L.Cu w0.118: v1(1.38,27.36) 1.38,26.69 1.74,26.33 D3.1 3.06,26.33 C203.2
Net-(U202-~{RST}): length 34.5
  1L.Cu w0.118: U202.1 17.2,27.94 v1(17.3,28.04)
  3L.Cu w0.118: v1(40.11,12.81) 39.67,12.37 38.92,12.37 38.09,13.2 38.09,13.22 36.79,13.22 31.5,18.51 v1(31.5,19.35)
  6L.Cu w0.118: v1(31.5,19.35) 30.22,19.35 28.58,20.99 18.69,20.99 16.81,22.87 16.81,27.55 v1(17.3,28.04)
Net-(U402-ZQ): length 4
  1L.Cu w0.118: R402.1 42.75,52.5 40.19,52.5 39.97,52.28 39.97,51.72 39.57,51.32 U402.L8
Net-(U703-I/O_4): length 0.8
  8L.Cu w0.118: U703.5 U703.6
Net-(U901A-CONFIG0): length 1.9
  1L.Cu w0.118: v1(11.5,8.61) 11.47,8.64 10.7,8.64 U901.D3
  8L.Cu w0.118: v1(11.5,8.61) 11.31,8.42 R6.2
Net-(U901A-PDN): length 6.9
  1L.Cu w0.118: v1(4.68,8.13) 4.68,8.14 U901.J3 ; v1(5.33,12.4) 5.92,12.4 C1.1 5.95,13.28 R1.2
  3L.Cu w0.118: v1(5.33,12.4) 4.68,11.75 v1(4.68,8.13)
Net-(U901A-SD_CLK): length 1.7
  1L.Cu w0.118: R911.2 15.29,7.55 U901.A4
Net-(U901A-SD_CMD): length 2.9
  1L.Cu w0.118: U901.B4 13.41,8.07 15.58,8.07
Net-(U901A-SD_DAT0): length 3.3
  1L.Cu w0.118: U901.B3 13.44,9.2 14.53,9.2 15.38,10.05 15.58,10.05
Net-(U901A-SD_DAT1): length 1.8
  1L.Cu w0.118: 15.58,9.05 15.26,9.05 14.86,8.65 U901.A3
Net-(U901A-SD_DAT2): length 3.4
  1L.Cu w0.118: U901.B5 12.89,6.51 13.4,7.02 14.82,7.02 15.58,6.26 15.58,6.1
Net-(U901A-SD_DAT3): length 2.1
  1L.Cu w0.118: R910.2 15.19,5.25 U901.A5
Net-(U1001-CTRL): length 1.5
  1L.Cu w0.118: R1001.1 6.36,63.73 U1001.5
Net-(U1001-FB): length 4.3
  1L.Cu w0.2: v1(9,67.41) 9.03,67.38 U1001.2
  1L.Cu w0.3: 6.33,66.69 v1(7.13,66.69) U1001.4
  3L.Cu w0.2: v1(7.13,66.69) 8.27,66.69 8.99,67.41 v1(9,67.41)
Net-(Y701-Tri-State): length 3.8
  1L.Cu w0.2: R709.2 36.67,20.65 Y701.1 36.71,20.69 C703.2 34.74,20.69 R708.2
Net-(Y701-VDD): length 2.8
  1L.Cu w0.15: C704.1 34.74,21.63 R711.1
  1L.Cu w0.2: Y701.4 36.77,22.64 35.69,22.64
unconnected-(C214-Pad2): length 1.9
  1L.Cu w0.2: v1(10.25,24.57) 10.27,24.6 11.02,24.6 11.09,24.67 U202.18
unconnected-(U2-I/O_1-Pad1): length 0.8
  1L.Cu w0.118: U2.10 U2.1
unconnected-(U2-I/O_4-Pad5): length 0.8
  1L.Cu w0.118: U2.6 U2.5
unconnected-(U501-I/O_4-Pad5): length 0.8
  8L.Cu w0.118: 18.6,46.09 U501.5

## Copper pours and planes (outline as drawn; the poured copper is in the pictures)
1V8_WIFI on 1L.Cu: 6.49,16.91 6.5,19.41 7.7,19.41 8.7,18.71 9.8,18.71 9.79,17.51 7.99,17.51 7.29,16.91
1V8_WIFI on 5L.Cu: 6.5,18.91 6.5,17.51 9.9,13.91 12.1,13.91 12.5,13.51 12.5,10.41 13.4,9.41 14.13,9.41 14.5,9.68 14.5,14 13.2,15.41 10.8,15.41 7.2,18.91
3V3 on 1L.Cu: 8.6,67.21 8.6,66.21 8.2,66.21 8.2,68.61 13.4,68.61 13.8,68.21 13.8,66.21 13.6,66.01 11,66.01 9.97,67.24
3V3 on 1L.Cu: 12.49,16.07 12.49,19.17 14.99,19.17 14.99,16.07
3V3 on 1L.Cu: 17.2,1.81 17.2,2.77 16.9,3.13 16.9,3.91 15.1,3.91 14.3,4.94 14.3,5.51 14.2,5.61 13.7,5.61 13.7,5.11 13.1,4.51 12.7,4.51 12.6,4.41 12.6,4.11 12.7,4.01 13.1,4.01 13.6,3.51 13.6,2.81 13.7,2.71 14.67,2.71 15.07,2.41 15.9,2.41 16.1,2.21 16.1,1.91 16.2,1.81
3V3 on 5L.Cu: 15.1,1.81 18.9,1.81 18.9,11.61 15.1,11.61
3V3 on 5L.Cu: 9.3,67.81 9.3,69.11 13.4,69.11 13.4,67.81
3V3 on 5L.Cu: 10.8,46.11 10.8,42.61 22.6,42.61 22.6,43.71 12.2,43.71 12.2,46.11
3V3 on 5L.Cu: 13.4,16.01 15.1,14.11 15.1,11.61 18.9,11.61 17.1,15.21 15.1,17.11
3V3 on 5L.Cu: 12.5,19.21 12.5,16.01 15.1,16.01 15.1,19.21
GND on 1L.Cu: 5.9,16.91 5.9,19.41 4,19.41 4,17.21 4.6,17.21 5,16.91
GND on 1L.Cu: 30.75,6.51 30.75,8.01 33,8.01 33,6.51
GND on 1L.Cu: 15.3,69.51 15.3,60.51 2.5,60.51 2.5,69.51
GND on 1L.Cu: 12.19,19.57 10.79,19.57 10.79,16.07 12.19,16.07
GND on 1L.Cu: 9.59,32.47 9.59,29.07 8.29,29.07 8.29,32.47
GND on 1L.Cu: 16.39,19.77 15.2,19.77 15.2,16.07 16.39,16.07
GND on 1L.Cu: 9.59,29.07 9.08,28.43 9.09,26.47 9.69,25.77 9.69,19.47 8.16,19.47 8.16,25.65 7.76,25.94 7.76,27.51 7.76,28.73 8.29,29.07
GND on 1L.Cu: 17.39,32.77 14.09,32.77 14.09,30.37 15.29,30.37 15.29,31.17 15.69,31.47 17.39,31.47
GND on 1L.Cu: 22.75,6.51 22.75,8.01 25,8.01 25,6.51
GND on 8L.Cu: 29.4,47.91 28,47.91 28,58.11 29.4,58.11
GND on 8L.Cu: 45.4,46.41 47.2,46.41 47.2,58.31 45.4,58.31
GND on 2L.Cu: 50,0.01 0,0.01 0,70.01 50,70.01
GND on 7L.Cu: 50,70.01 0,70.01 0,0.01 50,0.01
VDD on 1L.Cu: 16.69,16.07 16.69,19.07 19.19,19.07 19.19,16.07
VDD on 5L.Cu: 16.7,16.71 17.6,15.91 33,16.01 38,8.01 50,8.01 50,35.01 43,35.01 35,27.01 16.7,27.01
VDD on 5L.Cu: 41.32,32.94 40.82,32.95 36.17,28.3 36.17,26.55 38.42,26.55 41.32,29.45
VDD_CORE on 1L.Cu: 17.79,28.77 17.79,32.77 19.89,32.77 19.89,28.77
VDD_CORE on 5L.Cu: 19,33.01 31.58,33.01 32.42,33.51 32.42,27.5 29,28.76 19,28.76
VDD_CORE on 5L.Cu: 32.42,27.5 32.42,34.01 33.25,34.8 41.91,34.8 35.67,28.3 35.67,27.51 33.95,26.51 33.42,26.5
VDD_DDR on 1L.Cu: 13.69,33.01 9.89,33.01 9.89,30.47 13.69,30.47
VDD_DDR on 4L.Cu: 50,62.51 50,35.01 25,35.01 25,62.51
VDD_DDR on 4L.Cu: 25,35.01 15.5,35.01 14,33.51 14,32.01 9.5,32.01 9.5,37.51 11.5,39.01 25,39.01
VIN on 1L.Cu: 30.6,6.51 30.6,9.71 30,9.71 30,6.51
VIN on 8L.Cu: 30.7,9.71 30.7,6.51 25.1,6.51 25.1,9.61 17.6,20.21 20,22.91
VIN on 8L.Cu: 20,30.21 20,20.21 9.8,20.21 9.8,30.21
/LCD/LED_A on 1L.Cu: 8.78,64.23 9.28,64.23 9.28,63.21 9.67,62.14 9.67,61.31 7.9,61.31 7.9,61.98 8.38,61.98 8.78,62.61
VTT_DDR on 8L.Cu: 29.7,62.21 29.7,47.41 31.4,47.41 31.4,59.81 32.2,60.61 42.4,60.61 43.2,59.81 43.2,46.41 45.1,46.41 45.1,62.21
VTT_DDR on 5L.Cu: 30.6,55.43 30.6,52.58 29.5,52.58 29.5,55.43
Net-(D1001-A) on 1L.Cu: 9.42,64.23 10.08,64.23 11.15,64.56 13.65,64.56 13.65,63.18 11.6,61.31 9.9,61.31 9.9,62.21 9.42,63.41

Small or netless copper shapes (teardrops, artwork), in the pictures only: 345 on 1L.Cu, 365 on 8L.Cu, 34 on 3L.Cu, 4 on 5L.Cu, 6 on 6L.Cu
